# Altium PCB PCB1.PcbDoc (part 5 of 8)
Units mm, origin at the board's own origin, x right, y up, seen from the top; angles counter-clockwise.
Board outline 215 x 62.44 mm, 6 copper layers (Top Layer, Layer 1, Layer 2, Layer 3, Layer 4, Bottom Layer), stack 1.538 mm thick; 444 components, 475 nets, 1876 pads, 1257 vias.
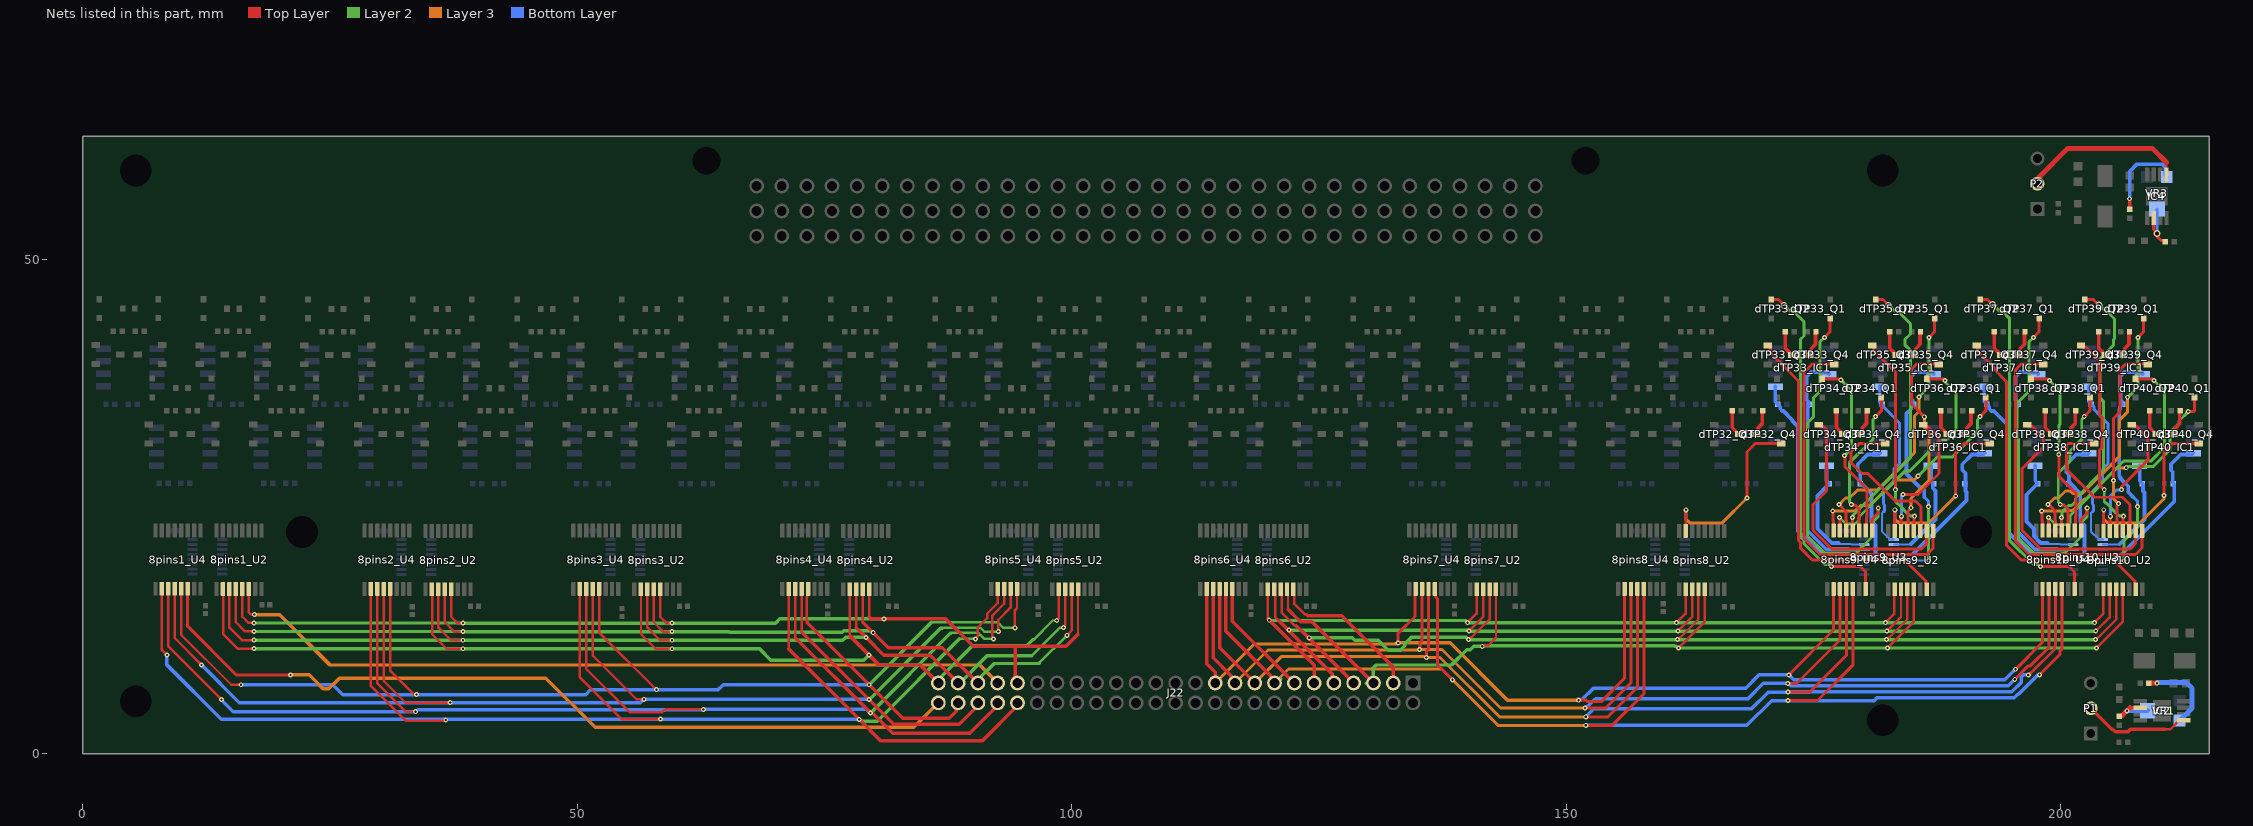
[diagram p9: the nets of this part, all layers, seen from the top]

## Via types
v1: diameter 0.5, hole 0.22, Top Layer to Bottom Layer, 884 vias
v2: diameter 0.5/0.5/0.5/0.5/0.5/0.5 (per signal layer), hole 0.22, Top Layer to Bottom Layer, tented both sides, 221 vias
v3: diameter 0.7, hole 0.4, Top Layer to Bottom Layer, 143 vias
v4: diameter 1.2, hole 0.5, Top Layer to Bottom Layer, 9 vias

## Nets (pads, with @x,y where several pads share a name; then routed paths per layer and width w, separated by ;. In a path a pad name is that pad's centre, name@x,y a point inside that pad or via, vN(x,y) a via of type N, cw(c..) or ccw(c..) an arc to the next point about the centre after c; other vN are vias at no path point) (continued)
NetdTP32_Q3_3: dTP32_Q3.3 dTP32_R7.2 | length 2.7
  Top Layer w0.381: dTP32_R7.2@166.777,34.715 166.777,32.992 dTP32_Q3.3@167.242,32.527 ; dTP32_Q3.3@167.284,32.432 dTP32_Q3.3@167.609,32.432
NetdTP32_Q4_1: 8pins8_U2.7 dTP32_Q4.1 | length 18.9
  Top Layer w0.3: 8pins8_U2.7@162.067,22.563 162.08,22.576 162.08,24.681 v1(162.092,24.693) ; v1(168.277,25.875) 168.262,25.89 168.262,30.55 169.127,31.415 dTP32_Q4.1@171.727,31.415
  Layer 3 w0.3: v1(162.092,24.693) 162.092,23.768 162.481,23.379 165.78,23.379 v1(168.277,25.875)
NetdTP32_Q4_3: dTP32_Q4.3 dTP32_R8.2 | length 2.6
  Top Layer w0.381: dTP32_Q4.3@169.227,32.365 169.278,32.365 169.387,32.474 169.387,32.975 169.826,33.413 169.826,34.663 dTP32_R8.2@169.877,34.715
NetdTP33_IC1_1: 8pins9_U3.13 dTP33_IC1.1 dTP33_R5.2 | length 23.3
  Bottom Layer w0.2: 175.822,20.172 176.05,20.172 176.054,20.168 178.782,20.168 178.786,20.172 8pins9_U3.13@180.117,20.172
  Bottom Layer w0.25: 175.822,20.172 175.826,20.168
  Bottom Layer w0.381: dTP33_IC1.1@171.139,37.172 171.139,35.639 dTP33_R5.2@171.401,35.377 ; dTP33_R5.2@171.403,35.353 171.638,35.119 171.638,34.917 171.866,34.688 171.953,34.688 172.858,33.783 172.858,33.659 172.866,33.659 173.442,33.084 173.442,22.552 175.822,20.172
NetdTP33_IC1_7: 8pins9_U3.14 dTP33_IC1.7 dTP33_R6.2 | length 24.7
  Bottom Layer w0.2: 178.556,20.713 178.601,20.668 8pins9_U3.14@180.121,20.668
  Bottom Layer w0.381: dTP33_R6.2@174.529,35.377 174.469,35.438 174.469,35.67 174.301,35.837 174.301,38.16 174.775,38.634 175.77,38.634 175.851,38.553 176.431,38.553 dTP33_IC1.7@176.565,38.418 ; dTP33_R6.2@174.553,35.353 174.469,35.269 174.469,35.091 174.423,35.046 174.423,22.569 176.28,20.713 178.556,20.713
NetdTP33_Q1_1: 8pins9_U4.1 dTP33_Q1.1 | length 35.9
  Top Layer w0.3: v1(176.101,42.127) 176.689,42.715 dTP33_Q1.1@176.689,44.077 ; 8pins9_U4.1@180.909,23.27 180.909,23.742 181.494,24.327 181.494,24.766 181.545,24.817 v1(181.545,24.871)
  Layer 2 w0.3: v1(176.101,42.127) 175.65,41.676 175.65,36.673 174.982,36.005 174.982,34.077 174.382,33.476 174.382,22.052 176.084,20.35 179.309,20.35 180.91,21.95 180.91,23.39 181.545,24.025 v1(181.545,24.871)
NetdTP33_Q2_1: 8pins9_U4.15 dTP33_Q2.1 | length 36.2
  Top Layer w0.3: dTP33_Q2.1@170.715,45.953 171.453,45.953 171.997,45.409 v3(171.997,45.345) ; v1(176.82,18.974) 179.703,18.974 180.275,18.402 8pins9_U4.15@180.275,16.692
  Layer 2 w0.3: v3(171.997,45.345) 172.075,45.345 172.602,44.818 172.915,44.818 174.026,43.707 174.026,42.277 173.67,41.921 173.67,21.979 174.026,21.624 174.026,21.264 176.134,19.156 176.584,19.156 176.766,18.974 v1(176.82,18.974)
NetdTP33_Q3_1: 8pins9_U2.15 dTP33_Q3.1 | length 36.9
  Top Layer w0.3: dTP33_Q3.1@170.353,41.303 170.478,41.303 170.628,41.153 170.628,40.567 173.472,37.723 173.472,21.594 173.7,21.366 173.7,20.803 174.875,19.628 184.223,19.628 186.371,17.479 186.371,16.738 8pins9_U2.15@186.446,16.663
NetdTP33_Q3_3: dTP33_Q3.3 dTP33_R7.2 | length 2.7
  Top Layer w0.381: dTP33_R7.2@172.151,42.727 172.151,41.005 dTP33_Q3.3@172.617,40.54 ; dTP33_Q3.3@172.659,40.445 dTP33_Q3.3@172.984,40.445
NetdTP33_Q4_1: 8pins9_U2.1 dTP33_Q4.1 | length 35.9
  Top Layer w0.3: dTP33_Q4.1@177.101,39.427 174.876,39.427 174.026,38.577 174.026,21.823 175.667,20.182 186.456,20.182 187.096,20.821 8pins9_U2.1@187.096,22.563
NetdTP33_Q4_3: dTP33_Q4.3 dTP33_R8.2 | length 2.6
  Top Layer w0.381: dTP33_Q4.3@174.601,40.377 174.653,40.377 174.762,40.487 174.762,40.988 175.2,41.426 175.2,42.676 dTP33_R8.2@175.251,42.727
NetdTP34_IC1_1: 8pins9_U3.15 dTP34_IC1.1 dTP34_R5.2 | length 12.3
  Bottom Layer w0.2: 177.526,21.348 177.616,21.257 178.782,21.257 178.871,21.168 8pins9_U3.15@180.121,21.168
  Bottom Layer w0.381: dTP34_IC1.1@176.306,29.16 176.306,27.627 176.568,27.365 dTP34_R5.2@176.568,27.339 ; dTP34_R5.2@176.57,27.34 175.996,26.767 175.996,26.688 175.414,26.107 175.414,22.772 176.838,21.348 177.526,21.348
NetdTP34_IC1_7: 8pins9_U3.12 dTP34_IC1.7 dTP34_R6.2 | length 14
  Bottom Layer w0.2: 8pins9_U3.12@180.121,19.668 180.171,19.718 180.741,19.718 181.265,20.242 181.265,20.248
  Bottom Layer w0.381: 181.265,20.248 181.265,23.094 180.85,23.509 180.85,26.354 179.948,27.256 179.804,27.256 179.718,27.342 179.718,28.482 179.468,28.732 179.468,29.308 180.455,30.295 181.595,30.295 dTP34_IC1.7@181.73,30.43
NetdTP34_Q1_1: 8pins9_U4.3 dTP34_Q1.1 | length 15.5
  Top Layer w0.3: v1(178.818,25.229) 178.857,25.191 179.212,25.191 179.597,24.806 8pins9_U4.3@179.597,22.511 ; v1(181.268,34.115) 181.856,34.703
  Top Layer w0.31: 181.856,34.703 181.858,34.704 dTP34_Q1.1@181.858,36.04
  Layer 2 w0.3: v1(178.818,25.229) 178.818,25.283 178.624,25.478 178.624,29.445 181.018,31.84 181.018,33.832 181.268,34.082 v1(181.268,34.115)
NetdTP34_Q2_1: 8pins9_U4.2 dTP34_Q2.1 | length 18.9
  Top Layer w0.3: dTP34_Q2.1@175.882,37.94 177.599,37.94 177.706,37.834 v1(177.76,37.834) ; v1(178.149,30.176) 178.168,30.157 178.168,29.065 180.427,26.806 180.427,24.044 180.35,23.967 180.35,23.318 180.35,22.667 8pins9_U4.2@180.275,22.592
  Layer 2 w0.3: v1(177.76,37.834) 178.836,36.757 178.836,30.865 178.149,30.178 v1(178.149,30.176)
NetdTP34_Q3_1: 8pins9_U2.2 dTP34_Q3.1 | length 25.5
  Top Layer w0.3: dTP34_Q3.1@175.518,33.315 175.692,33.14 175.992,33.14 176.306,32.827 176.306,26.592 174.941,25.227 174.941,22.635 176.84,20.736 185.893,20.736 186.441,21.284 186.441,22.558 8pins9_U2.2@186.446,22.563
NetdTP34_Q3_3: dTP34_Q3.3 dTP34_R7.2 | length 2.7
  Top Layer w0.381: dTP34_R7.2@177.318,34.715 177.318,32.992 dTP34_Q3.3@177.783,32.527 ; dTP34_Q3.3@177.825,32.432 dTP34_Q3.3@178.15,32.432
NetdTP34_Q4_1: 8pins9_U2.3 dTP34_Q4.1 | length 16.3
  Top Layer w0.3: dTP34_Q4.1@182.268,31.415 179.668,31.415 178.803,30.55 178.803,29.454 179.891,28.366 180.493,28.366 183.264,25.595 185.3,25.595 185.871,25.024 185.871,22.638 8pins9_U2.3@185.796,22.563
NetdTP34_Q4_3: dTP34_Q4.3 dTP34_R8.2 | length 2.6
  Top Layer w0.381: dTP34_Q4.3@179.768,32.365 179.819,32.365 179.928,32.474 179.928,32.975 180.367,33.413 180.367,34.663 dTP34_R8.2@180.418,34.715
NetdTP35_IC1_1: 8pins9_U3.1 dTP35_IC1.1 dTP35_R5.2 | length 18
  Bottom Layer w0.2: 182.094,24.495 182.058,24.495 181.931,24.369 181.931,22.483 182.746,21.668 8pins9_U3.1@183.121,21.668
  Bottom Layer w0.3: 181.706,35.639 181.706,35.472 181.897,35.281 182.042,35.281 182.095,35.228 182.095,35.083 183.694,33.483 183.694,29.387 183.117,28.81 183.117,27.602 182.076,26.56 182.076,25.265 182.199,25.142 182.199,24.6 182.094,24.495
  Bottom Layer w0.381: 181.706,35.639 dTP35_IC1.1@181.706,37.172
NetdTP35_IC1_7: 8pins9_U3.5 dTP35_IC1.7 dTP35_R6.2 | length 26.1
  Layer 2 w0.3: v1(186.62,25.005) 186.62,19.588 v1(186.651,19.557)
  Bottom Layer w0.2: 8pins9_U3.5@183.121,19.668 184.725,19.668 184.836,19.557 v1(186.651,19.557)
  Bottom Layer w0.3: 186.193,25.989 186.62,25.562 v1(186.62,25.005)
  Bottom Layer w0.381: dTP35_R6.2@185.035,35.438 185.035,35.752 184.868,35.919 184.868,38.16 185.341,38.634 186.336,38.634 186.417,38.553 186.997,38.553 dTP35_IC1.7@187.132,38.418 ; dTP35_R6.2@185.12,35.353 184.885,35.119 184.885,34.917 184.4,34.432 184.4,28.313 185.758,26.955 185.97,26.955 186.193,26.732 186.193,25.989
NetdTP35_Q1_1: 8pins9_U4.5 dTP35_Q1.1 | length 27.2
  Top Layer w0.3: v1(177.593,25.229) 178.289,24.532 178.289,23.65 178.325,23.615 8pins9_U4.5@178.325,22.592 ; v1(186.668,42.127) 187.256,42.715 dTP35_Q1.1@187.256,44.077
  Layer 2 w0.3: v1(185.656,36.113) 186.668,37.124 v1(186.668,42.127)
  Layer 3 w0.3: v1(177.593,25.229) 178.247,25.883 178.645,25.883 179.436,26.674 181.421,26.674 185.218,30.471 185.218,32.169 185.216,32.172 185.216,32.713 185.218,32.716 185.218,34.184 185.656,34.622 v1(185.656,36.113)
NetdTP35_Q2_1: 8pins9_U4.4 dTP35_Q2.1 | length 28.4
  Top Layer w0.3: v1(178.943,23.921) 178.943,22.623 8pins9_U4.4@178.975,22.592 ; dTP35_Q2.1@181.282,45.953 182.019,45.953 182.587,45.385 v3(182.587,45.336)
  Layer 2 w0.3: v1(178.943,23.921) 178.982,23.959 178.982,24.143 184.796,29.958 184.796,40.821 184.237,41.38 184.237,41.921 184.796,42.48 184.796,43.504 183.482,44.818 183.2,44.818 182.682,45.336 v3(182.587,45.336)
NetdTP35_Q3_1: 8pins9_U2.4 dTP35_Q3.1 | length 20.9
  Top Layer w0.3: dTP35_Q3.1@180.92,41.303 180.986,41.303 181.136,41.153 181.136,40.759 183.272,38.623 v1(183.272,26.725) ; 8pins9_U2.4@185.146,22.563 185.182,22.599 185.182,24.012 v1(185.217,24.048)
  Layer 2 w0.3: v1(183.272,26.725) 183.272,25.523 183.447,25.347 183.492,25.347 184.791,24.048 v1(185.217,24.048)
NetdTP35_Q3_3: dTP35_Q3.3 dTP35_R7.2 | length 2.7
  Top Layer w0.381: dTP35_R7.2@182.718,42.727 182.718,41.005 dTP35_Q3.3@183.183,40.54 ; dTP35_Q3.3@183.225,40.445 dTP35_Q3.3@183.55,40.445
NetdTP35_Q4_1: 8pins9_U2.5 dTP35_Q4.1 | length 21
  Top Layer w0.3: 8pins9_U2.5@184.496,22.563 184.571,22.638 184.571,23.713 184.563,23.721 184.563,24.549 184.862,24.848 v1(184.862,24.902) ; v1(186.202,34.094) 184.908,35.388 184.908,38.893 185.443,39.427 dTP35_Q4.1@187.668,39.427
  Layer 3 w0.3: v1(184.862,24.902) 184.862,25.857 186.7,27.695 186.7,32.537 186.202,33.035 v1(186.202,34.094)
NetdTP35_Q4_3: dTP35_Q4.3 dTP35_R8.2 | length 2.6
  Top Layer w0.381: dTP35_Q4.3@185.168,40.377 185.219,40.377 185.328,40.487 185.328,40.988 185.767,41.426 185.767,42.676 dTP35_R8.2@185.818,42.727
NetdTP36_IC1_1: 8pins9_U3.2 dTP36_IC1.1 dTP36_R5.2 | length 10.9
  Bottom Layer w0.2: 8pins9_U3.2@183.121,21.168 184.776,21.168 184.847,21.239
  Bottom Layer w0.381: 184.847,21.239 187.322,23.714 187.322,26.584 187.336,26.598 187.051,26.883 187.051,27.471 186.874,27.648 dTP36_IC1.1@186.874,29.135
NetdTP36_IC1_7: 8pins9_U3.4 dTP36_IC1.7 dTP36_R6.2 | length 16.2
  Bottom Layer w0.2: 8pins9_U3.4@183.121,20.168 184.995,20.168
  Bottom Layer w0.381: 184.995,20.168 190.472,25.645 190.472,26.508 190.37,26.609 190.37,28.396 190.034,28.732 190.034,29.308 191.022,30.295 192.162,30.295 dTP36_IC1.7@192.296,30.43
NetdTP36_Q1_1: 8pins9_U4.7 dTP36_Q1.1 | length 23.8
  Top Layer w0.3: v1(176.947,24.566) 176.954,24.56 176.954,23.635 177.025,23.564 8pins9_U4.7@177.025,22.592 ; v1(191.834,34.115) 192.422,34.703
  Top Layer w0.31: 192.422,34.703 192.424,34.704 dTP36_Q1.1@192.424,36.04
  Layer 2 w0.3: v1(185.584,28.111) 187.527,30.055 189.06,30.055 191.584,32.579 191.584,33.832 191.834,34.082 v1(191.834,34.115)
  Layer 3 w0.3: v1(176.947,24.566) 176.956,24.575 179.18,24.575 179.742,25.137 180.668,25.137 183.225,27.695 184.789,27.695 184.808,27.715 185.187,27.715 v1(185.584,28.111)
NetdTP36_Q2_1: 8pins9_U4.6 dTP36_Q2.1 | length 24.9
  Top Layer w0.3: v1(177.635,23.906) 177.655,23.886 177.655,22.612 8pins9_U4.6@177.675,22.592 ; dTP36_Q2.1@186.448,37.94 188.077,37.94 188.247,37.771 v1(188.301,37.771)
  Layer 2 w0.3: v1(177.635,23.906) 178.282,23.259 179.207,23.259 179.597,23.65 179.597,23.976 184.216,28.594 184.699,28.594 187.866,31.761 188.466,31.761 189.388,32.683 189.388,34.083 189.403,34.098 189.403,36.499 188.339,37.563 188.339,37.733 v1(188.301,37.771)
NetdTP36_Q3_1: 8pins9_U2.6 dTP36_Q3.1 | length 14.1
  Top Layer w0.3: 8pins9_U2.6@183.846,22.563 183.864,22.581 183.864,24.015 v1(183.881,24.033) ; v1(184.065,26.249) 185.57,26.249 187.696,28.375 187.696,32.003 186.534,33.165 186.234,33.165 dTP36_Q3.1@186.084,33.315
  Bottom Layer w0.3: v1(183.881,24.033) 183.881,26.011 184.065,26.195 v1(184.065,26.249)
NetdTP36_Q3_3: dTP36_Q3.3 dTP36_R7.2 | length 2.7
  Top Layer w0.381: dTP36_R7.2@187.884,34.715 187.884,32.992 dTP36_Q3.3@188.35,32.527 ; dTP36_Q3.3@188.392,32.432 dTP36_Q3.3@188.717,32.432
NetdTP36_Q4_1: 8pins9_U2.7 dTP36_Q4.1 | length 18.8
  Top Layer w0.3: 8pins9_U2.7@183.196,22.563 183.209,22.576 183.209,24.681 v1(183.221,24.693) ; v1(189.384,26.079) 189.369,26.093 189.369,30.55 190.234,31.415 dTP36_Q4.1@192.834,31.415
  Layer 3 w0.3: v1(183.221,24.693) 183.221,23.768 183.61,23.379 186.684,23.379 v1(189.384,26.079)
NetdTP36_Q4_3: dTP36_Q4.3 dTP36_R8.2 | length 2.6
  Top Layer w0.381: dTP36_Q4.3@190.334,32.365 190.385,32.365 190.495,32.474 190.495,32.975 190.933,33.413 190.933,34.663 dTP36_R8.2@190.984,34.715
NetdTP37_IC1_1: 8pins10_U3.13 dTP37_IC1.1 dTP37_R5.2 | length 23.3
  Bottom Layer w0.2: 196.951,20.172 197.179,20.172 197.183,20.168 199.911,20.168 199.915,20.172 8pins10_U3.13@201.246,20.172
  Bottom Layer w0.25: 196.951,20.172 196.955,20.168
  Bottom Layer w0.381: dTP37_IC1.1@192.272,37.172 192.272,35.639 dTP37_R5.2@192.534,35.377 ; dTP37_R5.2@192.536,35.353 192.77,35.119 192.77,34.917 192.999,34.688 193.221,34.688 194.571,33.338 194.571,22.552 196.951,20.172
NetdTP37_IC1_7: 8pins10_U3.14 dTP37_IC1.7 dTP37_R6.2 | length 24.7
  Bottom Layer w0.2: 199.685,20.713 199.73,20.668 8pins10_U3.14@201.25,20.668
  Bottom Layer w0.381: dTP37_R6.2@195.601,35.438 195.601,35.676 195.434,35.843 195.434,38.16 195.907,38.634 196.903,38.634 196.984,38.553 197.563,38.553 dTP37_IC1.7@197.698,38.418 ; dTP37_R6.2@195.686,35.353 195.601,35.269 195.601,35.136 195.511,35.046 195.511,22.61 197.409,20.713 199.685,20.713
NetdTP37_Q1_1: 8pins10_U4.1 dTP37_Q1.1 | length 35.9
  Top Layer w0.3: v1(197.234,42.127) 197.822,42.715 dTP37_Q1.1@197.822,44.077 ; 8pins10_U4.1@202.038,23.27 202.038,23.742 202.623,24.327 202.623,24.766 202.674,24.817 v1(202.674,24.871)
  Layer 2 w0.3: v1(197.234,42.127) 196.783,41.676 196.783,36.679 195.571,35.467 195.571,32.023 195.734,31.86 195.734,21.828 197.213,20.35 200.438,20.35 202.039,21.95 202.039,23.39 202.674,24.025 v1(202.674,24.871)
NetdTP37_Q2_1: 8pins10_U4.15 dTP37_Q2.1 | length 35.8
  Top Layer w0.3: dTP37_Q2.1@191.848,45.953 192.585,45.953 193.078,45.46 v3(193.078,45.438) ; v1(197.949,18.974) 200.832,18.974 201.404,18.402 8pins10_U4.15@201.404,16.692
  Layer 2 w0.3: v3(193.078,45.438) 193.161,45.438 193.885,44.714 194.152,44.714 194.8,44.066 194.8,21.619 197.263,19.156 197.713,19.156 197.895,18.974 v1(197.949,18.974)
NetdTP37_Q3_1: 8pins10_U2.15 dTP37_Q3.1 | length 36.8
  Top Layer w0.3: dTP37_Q3.1@191.486,41.303 191.587,41.203 191.587,40.729 193.346,38.97 193.346,38.824 194.5,37.67 194.5,21.132 196.004,19.628 205.352,19.628 207.5,17.479 207.5,16.738 8pins10_U2.15@207.575,16.663
NetdTP37_Q3_3: dTP37_Q3.3 dTP37_R7.2 | length 2.7
  Top Layer w0.381: dTP37_R7.2@193.284,42.727 193.284,41.005 dTP37_Q3.3@193.75,40.54 ; dTP37_Q3.3@193.792,40.445 dTP37_Q3.3@194.117,40.445
NetdTP37_Q4_1: 8pins10_U2.1 dTP37_Q4.1 | length 35.7
  Top Layer w0.3: dTP37_Q4.1@198.234,39.427 196.009,39.427 195.409,38.827 195.409,21.569 196.796,20.182 207.585,20.182 208.225,20.821 8pins10_U2.1@208.225,22.563
NetdTP37_Q4_3: dTP37_Q4.3 dTP37_R8.2 | length 2.6
  Top Layer w0.381: dTP37_Q4.3@195.734,40.377 195.785,40.377 195.895,40.487 195.895,40.988 196.333,41.426 196.333,42.676 dTP37_R8.2@196.384,42.727
NetdTP38_IC1_1: 8pins10_U3.15 dTP38_IC1.1 dTP38_R5.2 | length 12.3
  Bottom Layer w0.2: 198.655,21.348 198.745,21.257 199.911,21.257 200,21.168 8pins10_U3.15@201.25,21.168
  Bottom Layer w0.381: dTP38_IC1.1@197.413,29.16 197.413,27.627 197.675,27.365 197.675,27.339 196.543,26.207 196.543,23.499 197.283,22.759 197.283,22.031 197.967,21.348 198.655,21.348
NetdTP38_IC1_7: 8pins10_U3.12 dTP38_IC1.7 dTP38_R6.2 | length 14
  Bottom Layer w0.2: 8pins10_U3.12@201.25,19.668 201.3,19.718 201.87,19.718 202.394,20.242 202.394,20.248
  Bottom Layer w0.381: dTP38_R6.2@200.825,27.365 200.825,28.241 200.575,28.491 200.575,29.308 201.563,30.295 202.703,30.295 dTP38_IC1.7@202.837,30.43 ; dTP38_R6.2@200.827,27.34 200.911,27.256 201.077,27.256 201.979,26.354 201.979,23.509 202.394,23.094 202.394,20.248
NetdTP38_Q1_1: 8pins10_U4.3 dTP38_Q1.1 | length 15.5
  Top Layer w0.3: v1(199.947,25.229) 199.986,25.191 200.341,25.191 200.726,24.806 8pins10_U4.3@200.726,22.511 ; v1(202.375,34.115) 202.963,34.703
  Top Layer w0.31: 202.963,34.703 202.965,34.704 dTP38_Q1.1@202.965,36.04
  Layer 2 w0.3: v1(199.947,25.229) 199.947,25.283 199.747,25.483 199.747,28.422 200.935,29.61 200.935,30.649 202.125,31.84 202.125,33.832 202.375,34.082 v1(202.375,34.115)
NetdTP38_Q2_1: 8pins10_U4.2 dTP38_Q2.1 | length 18.4
  Top Layer w0.3: dTP38_Q2.1@196.989,37.94 198.643,37.94 198.821,37.762 v1(198.875,37.762) ; v1(199.8,30.295) 199.8,28.095 201.556,26.339 201.556,24.044 201.479,23.967 201.479,23.318 ; 8pins10_U4.2@201.404,22.592 201.479,22.667 201.479,23.318
  Layer 2 w0.3: v1(198.875,37.762) 199.944,36.694 199.944,33.358 199.8,33.214 v1(199.8,30.295)
NetdTP38_Q3_1: 8pins10_U2.2 dTP38_Q3.1 | length 26.2
  Top Layer w0.3: dTP38_Q3.1@196.625,33.315 196.775,33.165 197.075,33.165 198.237,32.003 198.237,31.023 196.07,28.855 196.07,22.635 197.969,20.736 207.022,20.736 207.57,21.284 207.57,22.558 8pins10_U2.2@207.575,22.563
NetdTP38_Q3_3: dTP38_Q3.3 dTP38_R7.2 | length 2.7
  Top Layer w0.381: dTP38_R7.2@198.425,34.715 198.425,32.992 dTP38_Q3.3@198.891,32.527 ; dTP38_Q3.3@198.933,32.432 dTP38_Q3.3@199.258,32.432
NetdTP38_Q4_1: 8pins10_U2.3 dTP38_Q4.1 | length 15.9
  Top Layer w0.3: dTP38_Q4.1@203.375,31.415 200.775,31.415 200.575,31.215 200.575,29.22 200.616,29.179 200.616,28.749 203.402,25.963 206.232,25.963 207,25.195 207,22.638 8pins10_U2.3@206.925,22.563
NetdTP38_Q4_3: dTP38_Q4.3 dTP38_R8.2 | length 2.6
  Top Layer w0.381: dTP38_Q4.3@200.875,32.365 200.926,32.365 201.036,32.474 201.036,32.975 201.474,33.413 201.474,34.663 dTP38_R8.2@201.525,34.715
NetdTP39_IC1_1: 8pins10_U3.1 dTP39_IC1.1 dTP39_R5.2 | length 17.9
  Bottom Layer w0.2: 203.223,24.495 203.187,24.495 203.06,24.369 203.06,22.483 203.875,21.668 8pins10_U3.1@204.25,21.668
  Bottom Layer w0.3: dTP39_R5.2@203.101,35.377 203.101,35.355 dTP39_R5.2@203.102,35.353 203.377,35.078 203.377,34.833 203.946,34.264 203.946,34.224 204.776,33.394 204.776,29.34 204.246,28.81 204.246,27.602 203.205,26.56 203.205,25.265 203.328,25.142 203.328,24.6 203.223,24.495
  Bottom Layer w0.381: dTP39_IC1.1@202.839,37.172 202.839,35.639 dTP39_R5.2@203.101,35.377
NetdTP39_IC1_7: 8pins10_U3.5 dTP39_IC1.7 dTP39_R6.2 | length 24.8
  Layer 2 w0.3: v1(206.393,19.528) 206.393,21.556 207.749,22.912 v1(207.749,25.005)
  Bottom Layer w0.2: 8pins10_U3.5@204.25,19.668 205.743,19.668 205.843,19.568 206.353,19.568 v1(206.393,19.528)
  Bottom Layer w0.3: 207.322,25.989 207.749,25.562 v1(207.749,25.005)
  Bottom Layer w0.381: dTP39_R6.2@206.168,35.438 206.168,35.7 206.069,35.799 206.069,36.622 206.001,36.691 206.001,38.186 206.448,38.634 207.469,38.634 207.55,38.553 208.13,38.553 dTP39_IC1.7@208.264,38.418 ; dTP39_R6.2@206.252,35.353 206.018,35.119 206.018,34.917 205.925,34.823 205.925,28.054 206.031,27.948 206.031,27.864 206.822,27.072 206.822,26.488 207.322,25.989
NetdTP39_Q1_1: 8pins10_U4.5 dTP39_Q1.1 | length 27.4
  Top Layer w0.3: v1(198.722,25.229) 198.776,25.229 199.418,24.586 199.418,23.65 199.454,23.615 8pins10_U4.5@199.454,22.592 ; v1(207.801,42.127) 208.389,42.715 dTP39_Q1.1@208.389,44.077
  Layer 2 w0.3: v1(206.764,36.073) 207.801,37.11 v1(207.801,42.127)
  Layer 3 w0.3: v1(198.722,25.229) 199.376,25.883 199.774,25.883 200.478,26.587 200.963,26.587 201.217,26.333 202.209,26.333 205.925,30.049 205.925,33.761 206.764,34.6 v1(206.764,36.073)
NetdTP39_Q2_1: 8pins10_U4.4 dTP39_Q2.1 | length 28
  Top Layer w0.3: v1(200.072,23.921) 200.072,22.623 8pins10_U4.4@200.104,22.592 ; dTP39_Q2.1@202.414,45.953 203.288,45.953 203.824,45.417 v3(203.884,45.417)
  Layer 2 w0.3: v1(200.072,23.921) 200.111,23.959 200.111,24.467 200.781,25.137 201.104,25.137 201.488,25.52 201.488,25.844 204.3,28.656 204.3,35.67 203.946,36.024 203.946,39.948 205.355,41.357 205.355,41.906 205.448,41.999 205.448,43.985 204.77,44.663 204.638,44.663 v3(203.884,45.417)
NetdTP39_Q3_1: 8pins10_U2.4 dTP39_Q3.1 | length 21.2
  Top Layer w0.3: dTP39_Q3.1@202.051,41.327 202.201,41.177 202.501,41.177 203.9,39.778 203.9,34.31 204.152,34.059 204.152,30.945 203.9,30.694 203.9,27.226 v1(204.401,26.725) ; 8pins10_U2.4@206.275,22.563 206.311,22.599 206.311,24.012 v1(206.346,24.048)
  Layer 2 w0.3: v1(204.401,26.725) 204.401,25.523 204.576,25.347 204.621,25.347 205.92,24.048 v1(206.346,24.048)
NetdTP39_Q3_3: dTP39_Q3.3 dTP39_R7.2 | length 2.7
  Top Layer w0.381: dTP39_R7.2@203.851,42.727 203.851,41.005 dTP39_Q3.3@204.316,40.54 ; dTP39_Q3.3@204.358,40.445 dTP39_Q3.3@204.683,40.445
NetdTP39_Q4_1: 8pins10_U2.5 dTP39_Q4.1 | length 19.9
  Top Layer w0.3: v1(205.336,27.661) 205.336,33.925 205.976,34.565 205.976,38.827 206.576,39.427 dTP39_Q4.1@208.801,39.427 ; 8pins10_U2.5@205.625,22.563 205.7,22.638 205.7,23.713 205.692,23.721 205.692,25.112 205.836,25.255 v1(205.836,25.309)
  Layer 3 w0.3: v1(205.336,27.661) 205.341,27.656 205.341,25.804 v1(205.836,25.309)
NetdTP39_Q4_3: dTP39_Q4.3 dTP39_R8.2 | length 2.6
  Top Layer w0.381: dTP39_Q4.3@206.301,40.377 206.352,40.377 206.461,40.487 206.461,40.988 206.899,41.426 206.899,42.676 dTP39_R8.2@206.951,42.727
NetdTP40_IC1_1: 8pins10_U3.2 dTP40_IC1.1 dTP40_R5.2 | length 10.9
  Bottom Layer w0.2: 8pins10_U3.2@204.25,21.168 205.905,21.168 205.976,21.239
  Bottom Layer w0.381: 205.976,21.239 208.459,23.723 208.459,26.462 208.328,26.594 208.328,27.278 207.98,27.627 dTP40_IC1.1@207.98,29.16
NetdTP40_IC1_7: 8pins10_U3.4 dTP40_IC1.7 dTP40_R6.2 | length 16.1
  Bottom Layer w0.2: 8pins10_U3.4@204.25,20.168 206.124,20.168
  Bottom Layer w0.381: 206.124,20.168 211.482,25.526 211.482,26.705 211.478,26.709 211.478,27.277 211.33,27.425 211.33,28.544 211.142,28.732 211.142,29.308 212.129,30.295 213.269,30.295 dTP40_IC1.7@213.404,30.43
NetdTP40_Q1_1: 8pins10_U4.7 dTP40_Q1.1 | length 24.2
  Top Layer w0.3: v1(198.076,24.566) 198.083,24.56 198.083,23.635 198.154,23.564 8pins10_U4.7@198.154,22.592 ; v1(212.89,34.619) 212.928,34.657 213.484,34.657 213.53,34.703
  Top Layer w0.31: 213.53,34.703 213.531,34.704 dTP40_Q1.1@213.531,36.04
  Layer 2 w0.3: v1(206.619,28.944) 206.673,28.944 206.825,29.095 209.384,29.095 211.055,30.766 211.055,32.555 211.954,33.454 211.954,33.682 v1(212.89,34.619)
  Layer 3 w0.3: v1(198.076,24.566) 198.085,24.575 200.657,24.575 200.693,24.611 201.216,24.611 202.384,25.779 202.529,25.779 205.694,28.944 v1(206.619,28.944)
NetdTP40_Q2_1: 8pins10_U4.6 dTP40_Q2.1 | length 26.3
  Top Layer w0.3: v1(198.764,23.906) 198.784,23.886 198.784,22.612 8pins10_U4.6@198.804,22.592 ; dTP40_Q2.1@207.555,37.94 209.21,37.94 209.379,37.771 v1(209.433,37.771)
  Layer 2 w0.3: v1(198.764,23.906) 199.458,23.212 199.54,23.212 199.569,23.183 200.749,23.183 200.924,23.359 200.924,24.099 203.747,26.922 203.747,26.996 205.811,29.06 206.4,29.649 209.154,29.649 210.501,30.996 210.501,33.751 210.51,33.76 210.51,36.694 v1(209.433,37.771)
NetdTP40_Q3_1: 8pins10_U2.6 dTP40_Q3.1 | length 13.5
  Top Layer w0.3: 8pins10_U2.6@204.975,22.563 204.993,22.581 204.993,24.015 v1(205.01,24.033) ; v1(206.128,26.725) 206.166,26.763 206.166,27.061 208.804,29.699 208.804,32.003 207.642,33.165 207.342,33.165 dTP40_Q3.1@207.192,33.315
  Bottom Layer w0.3: v1(205.01,24.033) 205.049,24.071 205.049,26.128 205.625,26.705 206.108,26.705 v1(206.128,26.725)
NetdTP40_Q3_3: dTP40_Q3.3 dTP40_R7.2 | length 2.7
  Top Layer w0.381: dTP40_R7.2@208.992,34.715 208.992,32.992 dTP40_Q3.3@209.457,32.527 ; dTP40_Q3.3@209.499,32.432 dTP40_Q3.3@209.824,32.432
NetdTP40_Q4_1: 8pins10_U2.7 dTP40_Q4.1 | length 18.9
  Top Layer w0.3: 8pins10_U2.7@204.325,22.563 204.338,22.576 204.338,24.681 v1(204.35,24.693) ; v1(210.441,26.155) 210.441,30.514 211.342,31.415 dTP40_Q4.1@213.942,31.415
  Layer 3 w0.3: v1(204.35,24.693) 204.35,23.768 204.739,23.379 208.014,23.379 210.42,25.785 210.42,26.134 v1(210.441,26.155)
NetdTP40_Q4_3: dTP40_Q4.3 dTP40_R8.2 | length 2.6
  Top Layer w0.381: dTP40_Q4.3@211.442,32.365 211.493,32.365 211.602,32.474 211.602,32.975 212.04,33.413 212.04,34.663 dTP40_R8.2@212.092,34.715
NetIC2_2: IC2.2 R10.1 VR1.2 | length 4.6
  Top Layer w0.3: 207.015,4.69 IC2.2@208.046,4.69
  Top Layer w0.5: R10.1@205.928,3.799 205.953,3.824 206.149,3.824 v1(206.69,4.365) 207.015,4.69
  Bottom Layer w0.5: v1(206.69,4.365) 206.706,4.381 VR1.2@208.774,4.381
NetIC2_5: IC2.5 P1.2 | length 10.9
  Top Layer w0.25: 210.5,2.5 211.081,2.5 211.971,3.39 IC2.5@212.446,3.39
  Top Layer w0.35: P1.2@203.036,4.619 205.155,2.5 205.247,2.5 205.498,2.249 206.804,2.249 207.055,2.5 210.5,2.5
NetIC4_2: IC4.2 R16.1 VR3.2 | length 5.5
  Top Layer w0.3: IC4.2@209.393,54.196 209.393,53.025 209.718,52.7 v3(209.718,52.646) ; v3@209.718,52.621 209.757,52.582 209.757,52.315 210.127,51.945 210.439,51.945 R16.1@210.564,51.82
  Bottom Layer w0.3: v3(209.718,52.646) VR3.2@209.718,55.096
NetIC4_5: IC4.5 P2.2 | length 16.6
  Top Layer w0.25: IC4.5@210.693,58.596 210.693,59.807
  Top Layer w0.5: P2.2@197.641,57.666 197.813,57.838 197.813,58.352 200.671,61.21 209.29,61.21 210.693,59.807
NetR9_2: R9.2 VR1.3 | length 8.4
  Top Layer w0.5: R9.2@208.918,7.159 v1(209.738,7.159)
  Bottom Layer w0.5: v1(209.738,7.159) 209.819,7.24 212.705,7.24 213.294,6.651 213.294,4.651 VR1.3@212.024,3.381
NetR15_2: R15.2 VR3.3 | length 8.9
  Top Layer w0.381: R15.2@206.968,55.096 v1(206.968,56.146)
  Bottom Layer w0.381: v1(206.968,56.146) 206.968,58.896 207.718,59.646 210.218,59.646 210.57,59.294 210.57,58.494 VR3.3@210.718,58.346
NMOS_SHFT_1TO5_NOE_41: 8pins1_U2.13 8pins2_U2.13 8pins3_U2.13 8pins4_U2.13 8pins5_U2.13 J22.41 | length 110.7
  Top Layer w0.25: 8pins1_U2.13@16.11,16.683 16.11,13.885 16.74,13.255 v1(17.3,13.255) ; 8pins2_U2.13@37.248,16.668 37.248,13.87 37.878,13.24 v1(38.438,13.24) ; 8pins3_U2.13@58.377,16.668 58.377,13.87 59.007,13.24 v1(59.567,13.24) ; 8pins3_U2.13@58.383,16.652 8pins3_U2.13@58.398,16.638 ; 79.506,13.87 8pins4_U2.13@79.506,16.668 ; 8pins4_U2.13@79.507,16.647 8pins4_U2.13@79.512,16.652 ; 100.625,12.125 100.625,16.658 8pins5_U2.13@100.63,16.663
  Top Layer w0.35: 79.506,13.87 79.722,13.654 v1(81,13.654) ; v1@81,13.585 81.069,13.654 87.266,13.654 90.014,10.906 94.283,10.906 ; J22.41@94.5,7.175 94.283,7.392 94.283,10.906 ; 100.625,12.125 99.406,10.906 94.283,10.906
  Layer 2 w0.35: v1(17.3,13.255) 17.307,13.247 38.431,13.247 v1(38.438,13.24) v1(59.567,13.24) 70.03,13.24 70.469,13.679 80.975,13.679 v1(81,13.654)
NMOS_SHFT_1TO5_RCLK_41: 8pins1_U2.12 8pins2_U2.12 8pins3_U2.12 8pins4_U2.12 8pins5_U2.12 J22.45 | length 113.1
  Top Layer w0.25: 8pins1_U2.12@15.46,16.683 15.46,13.335 16.4,12.395 v1(17.3,12.395) ; 8pins2_U2.12@36.598,16.668 36.598,13.32 37.538,12.38 v1(38.438,12.38) ; 8pins3_U2.12@57.682,16.644 8pins3_U2.12@57.722,16.603 ; 8pins3_U2.12@57.727,16.668 57.727,13.32 58.667,12.38 v1(59.567,12.38) ; 78.856,13.32 8pins4_U2.12@78.856,16.668 ; v1(99.5,12) 99.99,12.49 99.99,16.663 8pins5_U2.12@99.985,16.668
  Top Layer w0.35: 78.856,13.32 79.912,12.264 v1(79.915,12.264) 79.915,12.261 81.416,10.76 86.915,10.76 J22.45@90.5,7.175
  Layer 2 w0.25: 96.687,9.187 v1(99.5,12)
  Layer 2 w0.35: v1(17.3,12.395) 17.307,12.387 38.431,12.387 v1(38.438,12.38) v1(59.567,12.38) 65.29,12.38 65.349,12.321 76.804,12.321 76.947,12.464 79.675,12.464 79.874,12.264 v1(79.915,12.264) ; J22.45@90.29,7.29 92.149,9.149 96.616,9.149 96.653,9.187 96.687,9.187
NMOS_SHFT_1TO5_SER_41: 8pins1_U2.14 J22.43 | length 81.1
  Top Layer w0.25: 8pins1_U2.14@16.76,16.683 16.78,16.663 16.78,14.315 16.963,14.132 17.313,14.132 v1(17.33,14.114)
  Layer 3 w0.35: v1(17.33,14.114) 17.359,14.086 19.896,14.086 24.982,9 90.675,9 J22.43@92.5,7.175
NMOS_SHFT_1TO5_SRCLK_41: 8pins1_U2.11 8pins2_U2.11 8pins3_U2.11 8pins4_U2.11 8pins5_U2.11 J22.47 | length 116.7
  Top Layer w0.25: 8pins1_U2.11@14.81,16.683 14.805,16.678 14.805,12.79 16.08,11.515 v1(17.3,11.515) ; 8pins2_U2.11@35.943,16.663 35.943,12.775 37.218,11.5 v1(38.438,11.5) ; 8pins3_U2.11@57.072,16.663 57.072,12.775 58.347,11.5 v1(59.567,11.5) ; 8pins4_U2.11@78.173,16.656 8pins4_U2.11@78.186,16.669 ; 78.201,12.775 8pins4_U2.11@78.201,16.663 ; v1(99.163,12.791) 99.163,12.859 99.325,13.02 99.325,16.658 8pins5_U2.11@99.33,16.663
  Top Layer w0.35: 78.201,12.775 79.192,11.785 v1(79.201,11.785) ; v1@79.199,11.778 80.976,10 85.675,10 J22.47@88.753,6.922
  Layer 2 w0.25: 95.956,9.956 98.785,12.785 99.157,12.785 v1(99.163,12.791)
  Layer 2 w0.35: v1(17.3,11.515) 17.307,11.507 38.431,11.507 v1(38.438,11.5) v1(59.567,11.5) 76.837,11.5 77.122,11.785 v1(79.201,11.785) ; J22.47@88.5,7 91.456,9.956 95.956,9.956
NMOS_SHFT_1TO5_SRCLR_41: 8pins1_U2.10 8pins2_U2.10 8pins3_U2.10 8pins4_U2.10 8pins5_U2.10 J22.49 | length 121.4
  Top Layer w0.25: 8pins1_U2.10@14.16,16.683 14.168,16.675 14.168,12.127 15.64,10.655 v1(17.3,10.655) ; 8pins2_U2.10@35.306,16.66 35.306,12.112 36.778,10.64 v1(38.438,10.64) ; 8pins3_U2.10@56.435,16.66 56.435,12.112 57.907,10.64 v1(59.567,10.64) ; 8pins4_U2.10@77.564,16.66 77.564,11.986 77.614,11.936 ; v1(98.473,13.487) 98.473,13.554 98.69,13.772 8pins5_U2.10@98.69,16.657
  Top Layer w0.35: 77.614,11.936 77.614,11.886 80.5,9 84.675,9 J22.49@86.5,7.175
  Layer 2 w0.25: J22.49@86.5,7.175 J22.49@86.5,7.5 ; 96.035,11.535 96.106,11.535 98.071,13.5 98.46,13.5 v1(98.473,13.487)
  Layer 2 w0.35: v1@17.305,10.65 v1@38.428,10.65 ; v1(38.438,10.64) v1(59.567,10.64) 68.421,10.64 69.561,9.5 78.959,9.5 79.459,10 v1(79.5,10) ; J22.49@86.5,7.5 89.958,10.958 95.458,10.958 96.035,11.535
NMOS_SHFT_6TO10_NOE_41: 8pins6_U2.13 8pins7_U2.13 8pins8_U2.13 8pins9_U2.13 8pins10_U2.13 J22.5 | length 118
  Top Layer w0.25: 8pins6_U2.13@121.759,16.663 121.859,16.563 121.859,15.942 121.859,14.638 ; v1(141.5,10.892) 141.568,10.892 141.675,11 142.122,11 142.894,11.771 8pins7_U2.13@142.894,16.647 ; v1(161.352,10.719) 164.023,13.389 8pins8_U2.13@164.023,16.647 ; v1(182.481,10.719) 185.152,13.389 8pins9_U2.13@185.152,16.647 ; v1(203.61,10.719) 206.281,13.389 8pins10_U2.13@206.281,16.647
  Top Layer w0.35: 121.859,14.638 122.911,13.586 122.943,13.586 123.133,13.396 124.279,13.396 J22.5@130.5,7.175
  Layer 2 w0.35: J22.5@129.755,7.175 J22.5@130.5,7.175 130.5,8.71 130.79,9 138.394,9 139.931,10.538 140.27,10.538 140.625,10.892 141.541,10.892 141.616,10.967 160.885,10.967 160.96,10.892 161.072,10.892 161.138,10.892 161.311,10.719 v1(182.481,10.719) v1(203.61,10.719)
NMOS_SHFT_6TO10_RCLK_41: 8pins6_U2.12 8pins7_U2.12 8pins8_U2.12 8pins9_U2.12 8pins10_U2.12 J22.7 | length 117.3
  Top Layer w0.25: 8pins6_U2.12@121.109,16.663 121.109,16.188 121.209,16.088 121.209,15.942 121.209,14.291 122.518,12.982 122.693,12.982 ; v1(140.112,11.571) 140.153,11.571 140.383,11.801 140.414,11.801 142.238,13.625 8pins7_U2.12@142.238,16.603 ; v1(161.241,11.571) 161.282,11.571 161.512,11.801 161.543,11.801 163.367,13.625 8pins8_U2.12@163.367,16.603 ; v1(182.37,11.571) 182.411,11.571 182.641,11.801 182.672,11.801 184.496,13.625 8pins9_U2.12@184.496,16.603 ; v1(203.499,11.571) 203.54,11.571 203.77,11.801 203.801,11.801 205.625,13.625 8pins10_U2.12@205.625,16.603
  Top Layer w0.35: 122.693,12.982 123.675,12 123.711,12 124,11.711 124,11.682 124.029,11.682 124.029,11.646 J22.7@128.5,7.175
  Layer 2 w0.35: v1(124,11.751) 128.339,11.751 128.591,11.5 131,11.5 132,10.5 133.231,10.5 133.679,10.948 133.679,11.122 134.383,11.826 139.816,11.826 140.071,11.571 v1(161.241,11.571) v1(182.37,11.571) v1(203.499,11.571)
NMOS_SHFT_6TO10_SER_41: 8pins6_U2.14 J22.3 | length 15.8
  Top Layer w0.25: 8pins6_U2.14@122.409,16.663 122.409,16.188 122.509,16.088 122.509,15.942 122.509,15.165 123.534,14.14 123.644,14.14 123.693,14.09 123.764,14.09
  Top Layer w0.35: 123.764,14.09 123.854,14 127.293,14 132.5,8.793 J22.3@132.5,7.175
NMOS_SHFT_6TO10_SRCLK_41: 8pins6_U2.11 8pins7_U2.11 8pins8_U2.11 8pins9_U2.11 8pins10_U2.11 J22.9 | length 112.8
  Top Layer w0.25: 8pins6_U2.11@120.459,16.663 120.559,16.563 120.559,15.942 120.559,13.848 120.907,13.5 ; v1(140.154,12.43) 141.588,13.865 8pins7_U2.11@141.588,16.628 ; v1(161.283,12.43) 162.717,13.865 8pins8_U2.11@162.717,16.628 ; v1(182.412,12.43) 183.846,13.865 8pins9_U2.11@183.846,16.628 ; v1(203.541,12.43) 204.975,13.865 8pins10_U2.11@204.975,16.628
  Top Layer w0.35: 120.907,13.5 126.314,8.093 126.314,7.361 J22.9@126.5,7.175
  Layer 2 w0.35: v1(121.961,12.531) 140.013,12.531 140.113,12.43 v1(161.283,12.43) v1(182.412,12.43) v1(203.541,12.43)
NMOS_SHFT_6TO10_SRCLR_41: 8pins6_U2.10 8pins7_U2.10 8pins8_U2.10 8pins9_U2.10 8pins10_U2.10 J22.11 | length 110
  Top Layer w0.25: 8pins6_U2.10@119.795,16.649 119.795,13.705 v1@120,13.5 ; v1(140.023,13.28) 140.023,13.291 140.928,14.195 8pins7_U2.10@140.928,16.674 ; v1(161.152,13.28) 161.152,13.291 162.057,14.195 8pins8_U2.10@162.057,16.674 ; v1(182.281,13.28) 182.281,13.291 183.186,14.195 8pins9_U2.10@183.186,16.674 ; v1(203.41,13.28) 203.41,13.291 204.315,14.195 8pins10_U2.10@204.315,16.674
  Top Layer w0.35: v1@120,13.5 124.5,9 J22.11@124.5,7.175
  Layer 2 w0.35: v1@119.952,13.5 139.763,13.5 139.983,13.28 v1(161.152,13.28) 161.156,13.277 181.536,13.277 181.539,13.28 v1(182.281,13.28) v1(203.41,13.28)
  other v1: 119.961,13.531
PMOS_SHFT_1TO5_NOE_41: 8pins1_U4.13 8pins2_U4.13 8pins3_U4.13 8pins4_U4.13 8pins5_U4.13 J22.48 | length 147.1
  Top Layer w0.25: 8pins1_U4.13@9.938,16.712 9.938,12.062 15,7 v1(16,7) ; 8pins2_U4.13@31.072,16.692 31.072,8.428 33.445,6.055 33.697,6.055 v1(33.745,6.008) ; 8pins3_U4.13@52.201,16.692 52.201,12.299 v1(58,6.5) ; 73.234,13.316 73.184,13.366 73.184,15.841 73.23,15.887 73.23,15.971 73.23,16.117 73.33,16.217 8pins4_U4.13@73.33,16.692 ; v1(94.24,12.76) 94.24,14.527 94.457,14.744 94.457,16.69 8pins5_U4.13@94.459,16.692
  Top Layer w0.35: 73.234,13.316 73.234,13.266 v1(79.5,7) 82.896,3.604 87.604,3.604 88.311,4.311 88.311,4.986 J22.48@88.5,5.175
  Layer 2 w0.25: 85.81,13.31 92.517,13.31 93.068,12.76 v1(94.24,12.76)
  Layer 2 w0.35: v1(79.5,7) 85.81,13.31
  Bottom Layer w0.35: v1(16,7) 25.264,7 26.256,6.008 v1(33.745,6.008) ; v1@33.746,6.006 50.834,6.006 51.309,6.482 v1@57.982,6.482 ; v1@58.019,6.481 64.224,6.481 64.743,7 v1(79.5,7)
PMOS_SHFT_1TO5_RCLK_41: 8pins1_U4.12 8pins2_U4.12 8pins3_U4.12 8pins4_U4.12 8pins5_U4.12 J22.46 | length 157.3
  Top Layer w0.25: 8pins1_U4.12@9.288,16.712 9.288,11.712 v1(12,9) ; 8pins2_U4.12@30.422,16.692 30.422,7.387 32.628,5.18 37.13,5.18 v1(37.142,5.192) ; 8pins3_U4.12@51.551,16.692 51.551,9.949 55.969,5.531 v1(56.723,5.531) ; 72.68,12.32 8pins4_U4.12@72.68,16.692 ; v1(92.563,12.375) 92.563,13.563 93.809,14.809 8pins5_U4.12@93.809,16.692
  Top Layer w0.35: 72.68,12.32 v1(79.5,5.5) 82,3 88.636,3 90.5,4.864 J22.46@90.5,5.175 J22.46@90.286,4.961
  Layer 2 w0.25: 86.888,12.72 86.938,12.77 90.748,12.77 91.143,12.375 v1(92.563,12.375)
  Layer 2 w0.35: v1(79.5,5.5) 86.72,12.72 86.888,12.72
  Bottom Layer w0.35: v1(12,9) 15.804,5.196 37.138,5.196 v1(37.142,5.192) 56.343,5.192 56.682,5.531 v1(56.723,5.531) 56.738,5.516 79.484,5.516 v1(79.5,5.5)
PMOS_SHFT_1TO5_SER_41: 8pins1_U4.14 J22.50 | length 85.9
  Top Layer w0.3: 8pins1_U4.14@10.588,16.712 10.594,16.706 10.594,12.906 15.5,8 v1(21,8)
  Layer 3 w0.35: v1(21,8) 22.883,8 24.279,6.604 24.868,6.604 25.943,7.679 46.821,7.679 51.801,2.699 84.024,2.699 J22.50@86.5,5.175
PMOS_SHFT_1TO5_SRCLK_41: 8pins1_U4.11 8pins2_U4.11 8pins3_U4.11 8pins4_U4.11 8pins5_U4.11 J22.44 | length 168.8
  Top Layer w0.25: 8pins1_U4.11@8.638,16.712 8.638,10.862 v1(14,5.5) ; 8pins2_U4.11@29.772,16.692 29.772,7.137 32.628,4.28 v1(33.633,4.28) ; 8pins3_U4.11@50.901,16.692 50.901,8.599 55.273,4.227 58.576,4.227 58.863,4.514 v1(62.734,4.514) ; 72.03,11.763 8pins4_U4.11@72.03,16.692 ; v1(92.085,11.637) 92.085,11.705 91.934,11.856 91.934,13.971 93.159,15.196 8pins5_U4.11@93.159,16.692
  Top Layer w0.35: 72.03,11.763 v1(79.646,4.146) ; v1@79.675,4.158 79.715,4.118 79.882,4.118 81.893,2.107 89.658,2.107 92.5,4.949 J22.44@92.5,5.175
  Layer 2 w0.25: 87.766,12.216 87.816,12.266 90.504,12.266 90.77,12 90.806,12 91.169,11.637 v1(92.085,11.637)
  Layer 2 w0.35: v1(79.646,4.146) 87.716,12.216 87.766,12.216
  Bottom Layer w0.35: v1(14,5.5) 15.22,4.28 33.674,4.28 33.848,4.454 62.568,4.454 62.599,4.485 62.665,4.485 62.694,4.514 79.238,4.514 79.606,4.146 v1(79.646,4.146)
PMOS_SHFT_1TO5_SRCLR_41: 8pins1_U4.10 8pins2_U4.10 8pins3_U4.10 8pins4_U4.10 8pins5_U4.10 J22.42 | length 174
  Top Layer w0.25: 8pins1_U4.10@7.988,16.712 7.988,10.512 v1(8.5,10) ; 8pins2_U4.10@29.122,16.692 29.122,6.887 32.628,3.38 36.643,3.38 v1(36.689,3.426) ; 8pins3_U4.10@50.251,16.692 50.251,7.749 54.468,3.532 v1(58.409,3.532) ; 71.38,10.62 8pins4_U4.10@71.38,16.692 ; v1(90.243,11.637) 90.243,11.682 90.47,11.908 90.47,12.77 91.43,13.73 91.43,14.18 92.509,15.258 8pins5_U4.10@92.509,16.692
  Top Layer w0.35: 71.38,10.62 v1(78.5,3.5) 80.639,1.361 90.997,1.361 94.5,4.864 J22.42@94.5,5.175
  Layer 2 w0.25: 88.637,11.637 v1(90.243,11.637)
  Layer 2 w0.35: v1(78.5,3.5) 78.541,3.5 78.71,3.33 80.33,3.33 88.637,11.637
  Bottom Layer w0.35: v1(8.5,10) 8.5,9 13.997,3.503 36.571,3.503 36.648,3.426 v1(36.689,3.426) ; v1(36.689,3.426) 36.73,3.426 36.836,3.532 v1(58.409,3.532) 58.425,3.516 78.484,3.516 v1(78.5,3.5)
PMOS_SHFT_6TO10_NOE_41: 8pins6_U4.13 8pins7_U4.13 8pins8_U4.13 8pins9_U4.13 8pins10_U4.13 J22.15 | length 147.4
  Top Layer w0.3: 8pins7_U4.13@136.717,16.692 136.792,16.617 136.792,15.876 137,15.668 137,9 v1(138.5,7.5) ; v1(151.971,2.9) 154.647,2.9 157.847,6.1 8pins8_U4.13@157.847,16.694 ; v1(172.431,5.4) 175.4,5.4 178.976,8.976 8pins9_U4.13@178.976,16.694 ; v1(197.863,8.005) 199.91,10.051 199.91,10.41 200.104,10.604 8pins10_U4.13@200.104,16.692
  Top Layer w0.35: 8pins6_U4.13@115.588,16.692 115.588,12.412 120.111,7.889 120.111,7.875 120.5,7.486 J22.15@120.5,7.175
  Layer 2 w0.35: J22.15@120.912,7.588 121.138,7.588
  Layer 3 w0.3: J22.15@120.5,7.175 121.918,8.593 137.407,8.593 143.1,2.9 v1(151.971,2.9)
  Bottom Layer w0.35: v1(151.971,2.9) 168.258,2.9 170.758,5.4 172.501,5.4 v1@172.501,5.371 ; v1(172.431,5.4) 181.129,5.4 181.417,5.688 195.295,5.688 195.66,6.053 195.729,6.053 197.396,7.72 197.396,7.725 197.647,7.976 197.835,7.976 v1(197.863,8.005)
PMOS_SHFT_6TO10_RCLK_41: 8pins6_U4.12 8pins7_U4.12 8pins8_U4.12 8pins9_U4.12 8pins10_U4.12 J22.17 | length 142.5
  Top Layer w0.3: v1(135.846,9.771) 135.884,9.809 135.884,10.438 136.067,10.621 8pins7_U4.12@136.067,16.692 ; v1(151.971,3.76) 154.207,3.76 157.197,6.75 8pins8_U4.12@157.197,16.694 ; v1(172.426,6.26) 174.611,6.26 178.326,9.975 8pins9_U4.12@178.325,16.692 ; v1(196.717,8.002) 196.771,8.002 197.136,8.366 197.149,8.366 199.356,10.572 199.356,10.856 199.454,10.954 8pins10_U4.12@199.454,16.692
  Top Layer w0.35: 8pins6_U4.12@114.938,16.692 114.938,10.737 J22.17@118.631,7.044
  Layer 3 w0.3: J22.17@118.5,7.175 121.17,9.845 135.63,9.845 135.666,9.809 135.808,9.809 v1(135.846,9.771) ; v1@135.938,9.771 137.229,9.771 143.24,3.76 v1(151.971,3.76)
  Bottom Layer w0.35: v1(151.971,3.76) 152.782,4.571 168.731,4.571 170.42,6.26 v1@172.495,6.26 ; v1(172.426,6.26) 172.454,6.289 172.56,6.289 172.564,6.292 195.045,6.292 196.027,7.274 196.027,7.797 196.232,8.002 v1(196.717,8.002)
PMOS_SHFT_6TO10_SER_41: 8pins6_U4.14 J22.13 | length 12.1
  Top Layer w0.35: 8pins6_U4.14@116.238,16.692 116.238,13.437 J22.13@122.5,7.175
PMOS_SHFT_6TO10_SRCLK_41: 8pins6_U4.11 8pins7_U4.11 8pins8_U4.11 8pins9_U4.11 8pins10_U4.11 J22.19 | length 139
  Top Layer w0.3: v1(135.148,10.57) 135.187,10.608 135.187,11.233 135.404,11.45 135.404,16.679 8pins7_U4.11@135.417,16.692 ; v1(151.891,4.64) 153.987,4.64 156.546,7.198 8pins8_U4.11@156.546,16.692 ; v1(172.4,7.14) 173.284,7.14 177.675,11.531 8pins9_U4.11@177.675,16.692 ; v1@195.367,7.555 196.063,8.251 196.063,8.272 196.711,8.92 196.92,8.92 198.802,10.802 198.802,16.69 8pins10_U4.11@198.804,16.692
  Top Layer w0.35: 8pins6_U4.11@114.288,16.692 114.288,9.712 116.111,7.889 116.111,7.875 116.5,7.486 J22.19@116.5,7.175
  Layer 3 w0.3: J22.19@116.5,7.175 119.831,10.506 134.943,10.506 134.969,10.532 135.11,10.532 v1(135.148,10.57) 137.43,10.57 143.36,4.64 v1(151.891,4.64)
  Bottom Layer w0.35: v1(151.891,4.64) 151.931,4.64 152.112,4.821 152.152,4.821 152.831,5.5 152.857,5.5 152.961,5.604 168.379,5.604 169.915,7.14 172.469,7.14 172.469,7.112 172.684,6.896 194.689,6.896 v1(195.348,7.555)
PMOS_SHFT_6TO10_SRCLR_41: 8pins6_U4.10 8pins7_U4.10 8pins8_U4.10 8pins9_U4.10 8pins10_U4.10 J22.21 | length 137.4
  Top Layer w0.3: v1(133,11.229) 133,12.217 134.692,13.908 134.692,15.966 134.692,16.617 8pins7_U4.10@134.767,16.692 ; v1(151.234,5.441) 152.004,5.441 152.151,5.294 153.541,5.294 155.897,7.65 8pins8_U4.10@155.897,16.694 ; v1(172.5,8) 177.026,12.526 8pins9_U4.10@177.025,16.692 ; v1(195.438,8.572) 198.154,11.288 8pins10_U4.10@198.154,16.692
  Top Layer w0.35: 8pins6_U4.10@113.638,16.692 113.638,9.138 114.5,8.275 J22.21@114.5,7.175
  Layer 3 w0.3: J22.21@114.5,7.175 118.458,11.133 123.694,11.133 123.729,11.097 124.271,11.097 124.306,11.133 132.762,11.133 132.82,11.191 132.962,11.191 v1(133,11.229)
  Layer 3 w0.35: v1(133,11.229) 133.02,11.249 138.251,11.249 144.059,5.441 v1(151.234,5.441)
  Bottom Layer w0.35: v1(151.234,5.441) 151.263,5.469 151.576,5.469 152.748,6.642 168.134,6.642 169.492,8 v1(172.5,8) 173,7.5 194.333,7.5 195.405,8.572 v1(195.438,8.572)